# Altium PCB Cross-board.PcbDoc (part 1 of 2) (continued)
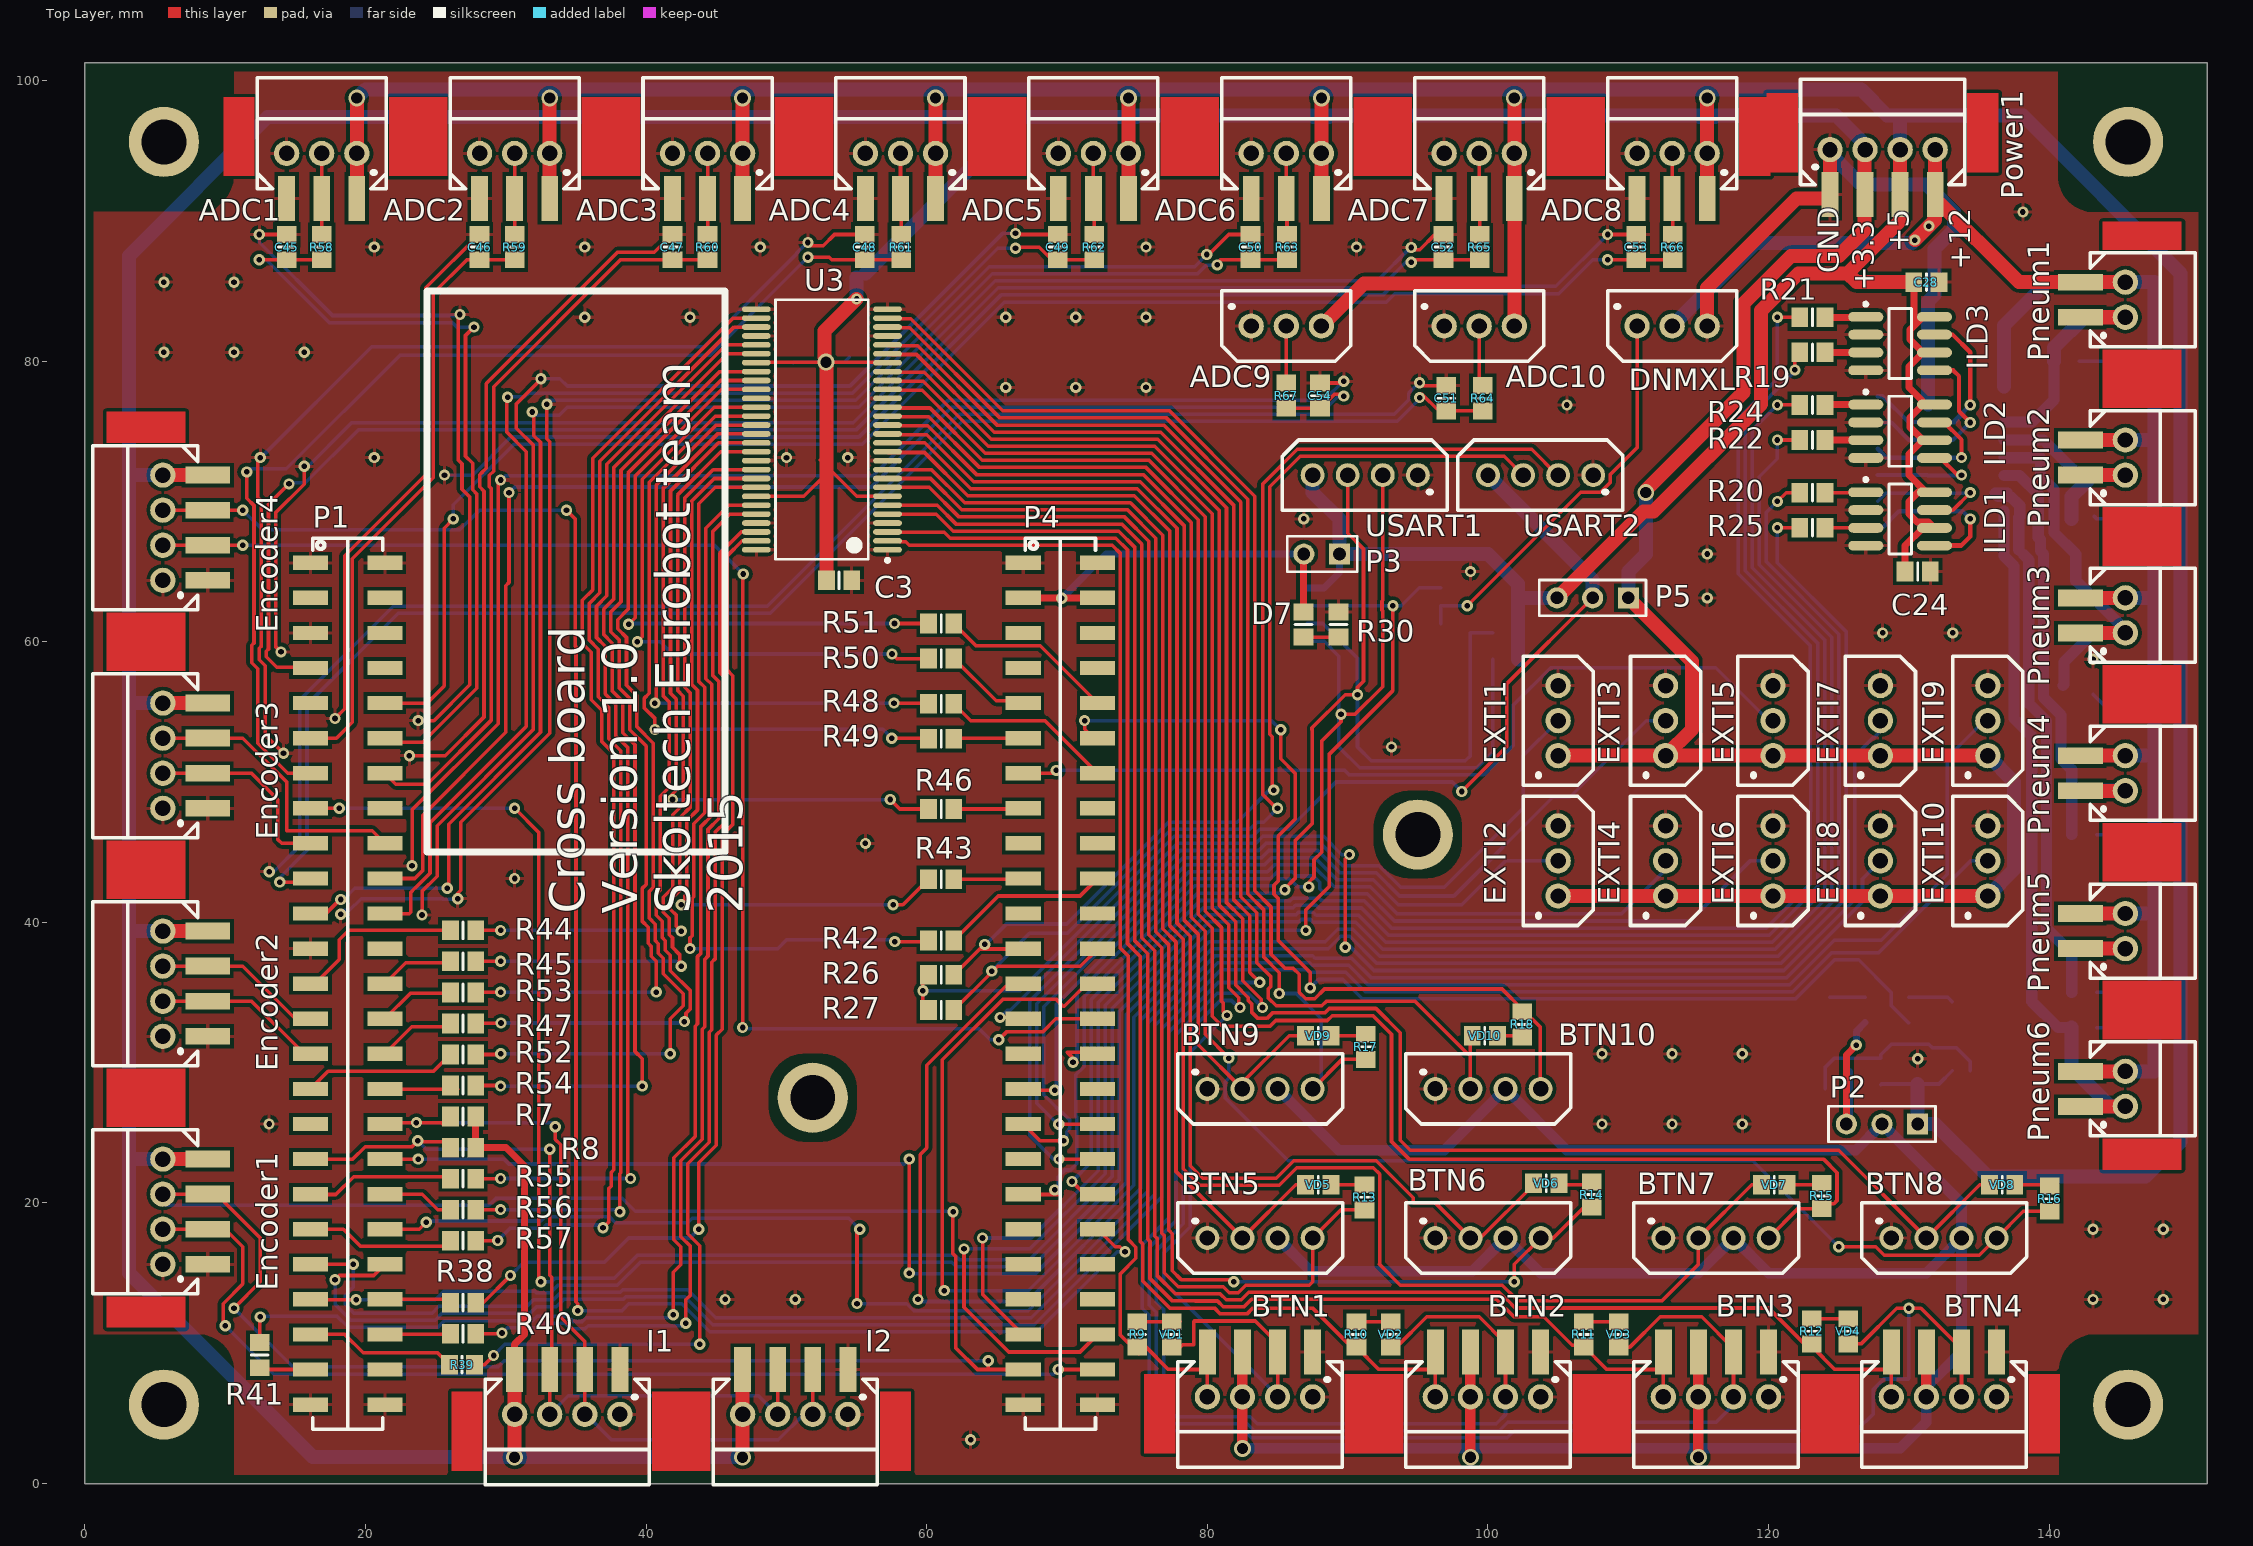
[diagram p0: Top Layer view]
## Footprints (in the part's own frame and the unit in brackets; to place one, negate y for a bottom-side part, rotate by r counter-clockwise, add the part's x,y. Pads: shape width x height; smd on the part's side, far side on the other; paste and mask are expansions set on the pad) (continued)
  silkscreen extent -3.3,-9.45 4.8,9.25, body extent -3.79,-9.27 3.79,9.27, height 2.79
HDR1X3 [mm] "Connector; Header; 3 Position"
  rect 1.5x1.5 hole 0.9: 1(0,0)
  round 1.5 hole 0.9: 2(2.54,0) 3(5.08,0)
  silkscreen extent -1.27,-1.27 6.35,1.27, body extent -1.27,-1.27 6.35,1.27, height 8.39
"HDR 1X2" [mm]
  rect 1.5x1.5 hole 0.9: 1(0,0)
  round 1.5 hole 0.9: 2(2.54,0)
  silkscreen extent -1.27,-1.27 3.72,1.27, body extent -1.31,-1.27 3.77,1.27, height 8.39
SO8_M [mm] "SOIC, 8-Leads, Body 4.9x3.9mm, Pitch 1.27mm, IPC Low Density"
  oval 2.5x0.7 smd: 1(-2.45,1.905) 2(-2.45,0.635) 3(-2.45,-0.635) 4(-2.45,-1.905) 5(2.45,-1.905) 6(2.45,-0.635) 7(2.45,0.635) 8(2.45,1.905)
  silkscreen extent -2.57,-2.5 0.8,2.93, body extent -2,-2.5 2,2.5, height 1.75
SO16_N [mm] "16-Pin Small Outline Integrated Circuit 1.27 mm Pitch, IPC Medium Density"
  oval 2.2x0.6 smd: 1(2.4,-4.445) 2(2.4,-3.175) 3(2.4,-1.905) 4(2.4,-0.635) 5(2.4,0.635) 6(2.4,1.905) 7(2.4,3.175) 8(2.4,4.445) 9(-2.4,4.445) 10(-2.4,3.175) 11(-2.4,1.905) 12(-2.4,0.635) 13(-2.4,-0.635) 14(-2.4,-1.905) 15(-2.4,-3.175) 16(-2.4,-4.445)
  silkscreen extent -0.9,-5.42 2.52,5, body extent -1.95,-4.95 1.95,4.95, height 1.75
"SOIC127 (sn74241)" [mm] "SOIC, 20-Leads, Body 12,80x7,50mm, Pitch 1,27mm, IPC Medium Density"
  rect 1.9x0.65 smd: 1(-4.75,5.715) 2(-4.75,4.445) 3(-4.75,3.175) 4(-4.75,1.905) 5(-4.75,0.635) 6(-4.75,-0.635) 7(-4.75,-1.905) 8(-4.75,-3.175) 9(-4.75,-4.445) 10(-4.75,-5.715) 11(4.75,-5.715) 12(4.75,-4.445) 13(4.75,-3.175) 14(4.75,-1.905) 15(4.75,-0.635) 16(4.75,0.635) 17(4.75,1.905) 18(4.75,3.175) 19(4.75,4.445) 20(4.75,5.715)
  silkscreen extent -4.88,-6.5 3.4,6.71, body extent -3.8,-6.5 3.8,6.5, height 2.65
SOT-23_N [mm] "SOT23, 3-Leads, Body 2.9x1.3mm, Pitch 0.95mm, Lead Span 2.3mm, IPC Medium Density"
  rect 1.15x0.6 smd: 1(1.125,-0.95) 2(1.125,0.95) 3(-1.125,0)
  silkscreen extent -0.7,-1.92 1.25,1.5, body extent -0.7,-1.5 0.7,1.5, height 1.11

## Part data
ADC1 ADC2 ADC3 ADC4 ADC5 ADC6 ADC7 ADC8 ADC9 ADC10: library part "Header 3", "Header, 3-Pin"
BTN1 BTN2 BTN3 BTN4 BTN5 BTN6 BTN7 BTN8 BTN9 BTN10 Encoder1 Encoder2 Encoder3 Encoder4 Pneum1 Pneum2 Pneum3 Pneum4 Pneum5 Pneum6 Power1: "screw_connector"
C1 C2 C3 C14 C20 C24 C28 C35 C37 C41 C45 C46 C47 C48 C49 C50 C51 C52 C53 C54: "Capacitor"
D1 D2 D3 D4 D5 D6: library part LED0, "Typical INFRARED GaAs LED"
D7 D8: "Typical INFRARED GaAs LED"
DNMXL EXTI1 EXTI2 EXTI3 EXTI4 EXTI5 EXTI6 EXTI7 EXTI8 EXTI9 EXTI10 P2 P5: "Header, 3-Pin"
I1 I2 USART1 USART2: "Header, 4-Pin"
P1 P4: "Header, 25-Pin, Dual row"
P3: "Header, 2-Pin"
Q1: "HEXFET Power MOSFET"
R1 R2 R3 R4 R5 R6 R7 R8 R9 R10 R11 R12 R13 R14 R15 R16 R17 R18 R19 R20 R21 R22 R23 R24 R25 R26 R27 R28 R29 R30 R31 R32 R33 R34 R35 R36 R37 R38 R39 R40 R41 R42 R43 R44 R45 R46 R47 R48 R49 R50 R51 R52 R53 R54 R55 R56 R57 R58 R59 R60 R61 R62 R63 R64 R65 R66 R67 R_INH1: "Resistor"
U1: "Seven Darlington Array"
U3: "20-Bit Buffer/Driver with 3-State Outputs"

## Free pads (board coordinates)
  round 0 smd: 3(18.825,52.728)
  round 5 hole 3.2: 4(5.625,5.625) 4(5.625,95.625) 4(51.875,27.5) 4(95,46.25) 4(145.625,5.625) 4(145.625,95.625)

## Via types
v1: diameter 0.8, hole 0.4, Top Layer to Bottom Layer, 219 vias
v2: diameter 1.2, hole 0.8, Top Layer to Bottom Layer, 15 vias

## Nets (pads, with @x,y where several pads share a name; then routed paths per layer and width w, separated by ;. In a path a pad name is that pad's centre, name@x,y a point inside that pad or via, vN(x,y) a via of type N, cw(c..) or ccw(c..) an arc to the next point about the centre after c; other vN are vias at no path point)
+3.3V: C1.2 C3.2 C35.2 C37.2 Encoder1.4 Encoder2.4 Encoder3.4 Encoder4.4 EXTI1.1 EXTI2.1 EXTI3.1 EXTI4.1 EXTI5.1 EXTI6.1 EXTI7.1 EXTI8.1 EXTI9.1 EXTI10.1 I1.4 I2.4 P5.1 Power1.2 R7.1 R8.1 U3.7 U3.22 U3.35 U3.50 | length 499.8
  Top Layer w0.254: U3.50@47.85,70.362 51.237,70.362 52.85,71.975 53.125,72.25 ; U3.35@47.85,79.887 47.888,79.925 v2(52.825,79.925) ; U3.7@57.2,70.362 55.013,70.362 53.125,72.25 ; U3.22@57.2,79.887 57.162,79.925 v2(52.825,79.925) ; v2(52.825,79.925) 52.825,73.75 53.025,73.55 52.425,72.95 53.125,72.25
  Top Layer w0.5: R7.1@27.848,26.156 R8.1@27.848,23.944 30.006,23.944 31.325,22.625 31.325,10.625 30.625,9.925 I1.4@30.625,8.125
  Top Layer w1: Encoder2.4@5.55,39.375 Encoder2.4@8.125,39.375 ; Encoder3.4@5.55,55.625 Encoder3.4@8.125,55.625 ; Encoder4.4@5.55,71.875 Encoder4.4@8.125,71.875 ; Encoder1.4@5.625,23.125 Encoder1.4@8.125,23.125 ; v2(30.625,1.875) I1.4@30.625,4.925 I1.4@30.625,8.125 ; v2(46.875,1.875) I2.4@46.875,4.925 I2.4@46.875,8.125 ; v2@52.725,80.287 52.725,82.15 v1(55,84.425) ; C3.2@52.85,64.375 52.85,71.975 v2@52.85,79.612 ; EXTI2.1@105,41.875 EXTI4.1@112.656,41.875 EXTI6.1@120.312,41.875 EXTI8.1@127.969,41.875 EXTI10.1@135.625,41.875 ; EXTI1.1@105,51.875 EXTI3.1@112.656,51.875 ; P5.1@110,63.125 114.531,58.594 114.531,53.75 EXTI3.1@112.656,51.875 ; v2(111.25,70.625) 111.25,70.804 118.225,77.779 118.225,84.119 121.606,87.5 125,87.5 126.825,89.325 Power1.2@126.825,94.8 ; EXTI9.1@135.625,51.875 EXTI7.1@127.969,51.875 EXTI5.1@120.312,51.875 EXTI3.1@112.656,51.875
  Bottom Layer w0.254: 12.498,5.627 12.5,5.625 ; C35.2@50.475,79.875 50.525,79.925 v2(52.825,79.925) 54.125,79.925 C37.2@54.475,80.275 ; C1.2@55,85.975 C1.2@55.275,86.25 C1.2@55.625,86.25
  Bottom Layer w1: Encoder1.4@4.925,23.125 3.125,23.125 ; Encoder2.4@4.925,39.375 3.125,39.375 ; Encoder3.4@4.925,55.625 3.125,55.625 ; Encoder4.4@5.55,71.875 3.125,71.875 ; 12.498,5.627 3.125,15 3.125,23.125 ; 12.5,5.625 16.25,1.875 v2(30.625,1.875) v2(46.875,1.875) ; v1(55,84.425) C1.2@55,85.975 ; C1.2@55.625,86.25 64.375,95 64.375,97.3 64.275,97.4 ; P5.1@110,63.125 110,65 111.25,66.25 v2(111.25,70.625) ; Power1.2@126.875,95.425 124.8,97.5 116.284,97.5 116.184,97.4 115.066,97.4 114.966,97.5 102.534,97.5 102.434,97.4 101.316,97.4 101.216,97.5 88.784,97.5 88.684,97.4 87.566,97.4 87.466,97.5 75.034,97.5 74.934,97.4 64.275,97.4 ; EXTI10.1@135.625,41.875 137.5,43.75 137.5,50 EXTI9.1@135.625,51.875 ; 3.125,23.125 3.125,39.375 ; 3.125,39.375 3.125,55.625 ; 3.125,55.625 3.125,71.875 ; 3.125,71.875 3.125,87.5 13.025,97.4 64.275,97.4
+5V: ADC1.1 ADC2.1 ADC3.1 ADC4.1 ADC5.1 ADC6.1 ADC7.1 ADC8.1 ADC9.1 ADC10.1 C2.2 C24.2 C28.2 C41.2 ILD1.6 ILD1.8 ILD2.6 ILD2.8 ILD3.6 ILD3.8 ILD4.8 P2.1 P3.1 P5.3 Power1.3 Q1.2 R28.2 R29.2 U2.20 USART1.4 | length 420.3
  Top Layer w0.5: C24.2@129.725,65 129.725,66.847 130.993,68.115 ILD1.6@131.825,68.115 131.405,68.535 130.573,68.535 130,69.108 130,70 130.655,70.655 ILD1.8@131.22,70.655 ; C28.2@130.35,85.625 130.35,82.512 ; ILD1.8@131.825,70.655 ILD1.8@131.22,70.655 ; ILD2.6@131.825,74.365 ILD2.6@130.993,74.365 ; ILD2.8@131.825,76.905 ILD2.8@131.22,76.905 ; ILD3.6@131.825,80.615 ILD3.6@130.993,80.615 ; ILD3.8@131.825,83.155 130.993,83.155 130.35,82.512 ; 130.35,82.512 130.075,82.237 130.075,81.533 ILD3.6@130.993,80.615 ; ILD2.6@130.993,74.365 130,73.372 130,71.875 ILD1.8@131.22,70.655 ; ILD2.6@130.993,74.365 130.075,75.283 130.075,75.987 130.993,76.905 ILD2.8@131.22,76.905 ; ILD3.6@130.993,80.615 130,79.622 130,78.125 ILD2.8@131.22,76.905
  Top Layer w1: ADC1.1@19.375,92.225 19.375,95.425 v2(19.375,98.75) ; ADC2.1@33.125,92.225 33.125,95.425 v2(33.125,98.75) ; ADC3.1@46.875,92.225 46.875,95.425 v2(46.875,98.75) ; ADC4.1@60.625,92.225 60.625,95.425 v2(60.625,98.75) ; ADC5.1@74.375,92.225 74.375,95.425 v2(74.375,98.75) ; ADC9.1@88.125,82.5 91.15,85.525 101.875,85.525 ; ADC6.1@88.125,92.225 88.125,95.425 v2(88.125,98.75) ; ADC10.1@101.875,82.5 101.875,85.525 ; v2(101.875,98.75) 101.875,95.425 101.875,92.225 101.875,85.525 ; P5.3@104.92,63.125 111.07,69.275 111.809,69.275 119.475,76.941 119.475,83.601 122.124,86.25 125.625,86.25 ; ADC8.1@115.625,92.225 115.625,95.425 v2(115.625,98.75) ; Power1.3@129.375,91.25 129.375,90 125.625,86.25 ; Power1.3@129.375,91.6 129.375,92.225 Power1.3@129.375,94.8 ; C28.2@130.35,85.625 126.25,85.625 125.625,86.25
  Bottom Layer w0.254: Q1.2@128,28.425 128.05,28.475 C41.2@130.625,28.475 132.145,28.475 ILD4.8@133.095,29.425
  Bottom Layer w0.5: U2.20@87.125,63.84 88.325,63.84 89.415,64.93 P3.1@89.415,66.25
  Bottom Layer w1: v2(19.375,98.75) 20,99.375 46.875,99.375 102.5,99.375 ; USART1.4@87.5,71.875 87.5,70.65 89.415,68.735 P3.1@89.415,66.25 100,66.25 102.15,64.1 C2.2@102.15,63.125 ; v2(101.875,98.75) 102.5,99.375 ; R29.2@102.15,58.75 R28.2@102.15,60.625 C2.2@102.15,63.125 ; P5.3@104.92,63.125 C2.2@102.15,63.125 ; Power1.3@129.375,95.425 129.375,97.5 ; C41.2@130.625,28.475 P2.1@130.625,25.625 131.875,25.625 135.625,21.875 146.875,21.875 149.375,24.375 149.375,86.25 138.125,97.5 129.375,97.5 ; 102.5,99.375 126.575,99.375 128.45,97.5 129.375,97.5
+5V_BOARD: P3.2 P4.3 P4.4 R30.1 | length 28
  Top Layer w0.5: P4.3@66.875,63.1 v1(69.625,63.1) P4.4@72.175,63.1 ; R30.1@86.85,62.125 86.85,66.225 P3.2@86.875,66.25
  Bottom Layer w0.5: v1(69.625,63.1) 72.775,66.25 P3.2@86.875,66.25
+12V: C14.2 C20.2 DNMXL.2 Pneum1.2 Pneum2.2 Pneum3.2 Pneum4.2 Pneum5.2 Pneum6.2 Power1.4 R1.1 R2.1 R3.1 R4.1 R5.1 R6.1 U1.9 | length 136.8
  Top Layer w1: v1(130.425,88.625) v1(131.425,89.625) 131.875,90.075 Power1.4@131.875,91.6 ; Power1.4@131.875,94.8 Power1.4@131.875,91.6 ; Pneum4.2@142.225,51.875 145.423,51.875 Pneum4.2@145.425,51.877 ; Pneum1.2@142.225,85.625 137.85,85.625 Power1.4@131.875,91.6 ; Pneum6.2@143.475,29.375 Pneum6.2@145.425,29.375 ; Pneum5.2@143.475,40.625 Pneum5.2@145.425,40.625 ; Pneum3.2@143.475,63.125 Pneum3.2@145.425,63.127 ; Pneum2.2@143.475,74.375 Pneum2.2@145.425,74.375 ; Pneum1.2@143.475,85.625 Pneum1.2@145.425,85.625
  Bottom Layer w1: DNMXL.2@113.125,82.5 119.05,88.425 130.225,88.425 v1(130.425,88.625) v1(131.425,89.625) ; U1.9@136.775,78.195 136.775,82.525 139.877,85.627 Pneum1.2@145.425,85.627 147.498,85.627 147.5,85.625 147.5,74.375 ; Pneum6.2@145.425,29.377 147.498,29.377 147.5,29.375 147.5,40.625 ; Pneum5.2@145.425,40.627 147.498,40.627 147.5,40.625 ; Pneum4.2@145.425,51.877 147.498,51.877 147.5,51.875 ; Pneum3.2@145.425,63.127 147.498,63.127 147.5,63.125 ; Pneum2.2@145.425,74.377 147.498,74.377 147.5,74.375 ; 147.5,40.625 147.5,51.875 ; 147.5,51.875 147.5,63.125 ; 147.5,63.125 147.5,74.375
GND: ADC1.3 ADC2.3 ADC3.3 ADC4.3 ADC5.3 ADC6.3 ADC7.3 ADC8.3 ADC9.3 ADC10.3 BTN1.1 BTN2.1 BTN3.1 BTN4.1 BTN5.1 BTN6.1 BTN7.1 BTN8.1 BTN9.1 BTN10.1 C1.1 C2.1 C3.1 C14.1 C20.1 C24.1 C28.1 C35.1 C37.1 C41.1 C45.2 C46.2 C47.2 C48.2 C49.2 C50.2 C51.2 C52.2 C53.2 C54.2 D7.2 D8.2 DNMXL.3 Encoder1.1 Encoder2.1 Encoder3.1 Encoder4.1 EXTI1.3 EXTI2.3 EXTI3.3 EXTI4.3 EXTI5.3 EXTI6.3 EXTI7.3 EXTI8.3 EXTI9.3 EXTI10.3 I1.1 I2.1 ILD1.2 ILD1.4 ILD2.2 ILD2.4 ILD3.2 ILD3.4 ILD4.2 P1.1 P1.2 P1.5 P1.23 P1.49 P1.50 P4.1 P4.2 P4.49 P4.50 Power1.1 R31.2 R32.2 R33.2 R34.2 R35.2 R36.2 R_INH1.2 U1.7 U1.8 U2.10 U3.1 U3.4 U3.11 U3.18 U3.25 U3.28 U3.29 U3.32 U3.39 U3.46 U3.53 U3.56 USART1.1 USART2.1 | length 832.8
  Top Layer w0.254: v1(12.425,89.025) 12.625,89.025 C45.2@14.375,89.025 ; v1(12.5,73.125) 12.302,72.927 12.302,70.308 12.577,70.033 12.577,59.689 12.421,59.533 12.421,58.717 12.852,58.286 12.852,53.347 v1(14.149,52.049) ; v1(13.969,59.271) 13.585,59.655 13.585,69.193 15.625,71.233 v1(15.625,72.5) ; v1(17.825,54.525) 18.525,55.225 18.525,66.125 24.298,71.898 24.298,85.231 28.092,89.025 C46.2@28.125,89.025 ; v1(23.125,51.875) 25.684,51.875 28.44,54.631 28.44,70.734 28.133,71.042 28.133,71.894 28.298,72.06 28.298,72.075 28.598,72.375 28.598,78.398 37.952,87.752 40.569,87.752 41.842,89.025 C47.2@41.875,89.025 ; v1(23.313,44.025) 23.313,48.013 29.448,54.148 29.448,71.348 v1(29.625,71.525) ; v1(23.75,54.375) 24.875,54.375 27.432,56.932 27.432,70.317 26.875,70.874 26.875,72.674 26.598,72.951 26.598,83.198 v1(26.725,83.325) ; v1(24.025,40.525) 24.025,42.213 25.098,43.286 25.098,46.885 31.964,53.751 31.964,73.998 30.748,75.214 30.748,76.947 32.5,78.699 v1(32.5,78.75) ; v1(26.567,41.683) 26.567,42.069 26.774,42.275 26.774,47.135 33.125,53.487 33.125,74.262 32.925,74.462 v1(32.925,76.925) ; v1(51.525,88.45) 51.75,88.225 52.225,88.225 52.625,88.225 53.425,89.025 C48.2@55.575,89.025 ; v1(66.325,89.1) 66.4,89.025 C49.2@69.325,89.025 ; v1(79.954,87.596) 80.096,87.596 81.525,89.025 C50.2@83.075,89.025 ; C54.2@88.025,78.437 89.606,78.437 v1(89.725,78.556) ; v1(94.525,88.1) 94.525,87.925 95.125,87.925 96.225,89.025 C52.2@96.825,89.025 ; v1(95.125,78.45) 95.125,78.325 95.225,78.225 95.25,78.25 C51.2@97.025,78.25 ; v1(108.525,89.025) C53.2@110.575,89.025
  Top Layer w1: DNMXL.3@115.625,82.5 115.625,85.225 122,91.6 124.375,91.6 Power1.1@124.375,94.8
  Bottom Layer w0.254: v1@12.348,72.925 v1@12.524,73.101 ; v1(12.425,89.025) 12.425,88.47 17.643,83.252 26.652,83.252 v1(26.725,83.325) ; v1(12.5,73.125) 12.548,73.125 20.448,81.025 44.1,81.025 50.748,87.673 50.748,87.722 51.476,88.45 v1(51.525,88.45) ; v1(13.142,43.608) 13.151,43.599 13.451,43.599 15.321,45.47 15.321,55.87 21.982,62.531 48.631,62.531 62.317,76.217 93.317,76.217 94.348,77.248 94.348,77.722 95.076,78.45 v1(95.125,78.45) ; v1@15.763,72.363 18.997,75.597 54.748,75.597 64.876,85.725 92.101,85.725 94.476,88.1 v1(94.525,88.1) ; v1(18.225,40.575) 18.498,40.848 18.848,40.848 19.683,41.683 25.469,41.683 25.503,41.648 26.533,41.648 v1(26.567,41.683) ; v1(23.313,44.025) v1@23.513,44.225 ; v1(24.025,40.525) v1@24.125,40.425 ; v1(25.625,71.875) 27.63,71.875 30.344,74.589 55.166,74.589 65.294,84.717 92.519,84.717 93.127,85.325 104.825,85.325 v1(108.525,89.025) ; 29.952,71.837 56.163,71.837 61.551,77.225 88.345,77.225 89.676,78.556 v1(89.725,78.556) ; v1(32.5,78.75) 33.85,78.75 34.375,78.225 54.525,78.225 65.4,89.1 v1(66.325,89.1) ; v1(32.925,76.925) 32.925,77.217 54.943,77.217 64.459,86.733 79.091,86.733 v1(79.954,87.596)
  Bottom Layer w1: Power1.1@124.375,94.8 126.587,92.587 131.263,92.587 133.225,90.625 133.225,89.375 131.825,87.975 131.825,84.725 131.35,84.25 U1.8@131.35,78.195 U1.7@131.35,76.925
  other v1: 63.125,3.125 45.625,13.125 50.625,13.125 143.125,13.125 148.125,13.125 143.125,18.125 148.125,18.125 13.125,25.625 108.125,25.625 113.125,25.625 118.125,25.625 130.625,30.275 108.125,30.625 113.125,30.625 118.125,30.625 30.625,43.125 55.625,45.625 93.125,52.5 143.125,58.75 128.125,60.625 133.125,60.625 115.625,63.125 98.75,65 115.625,66.25 86.875,68.75 20.625,73.125 50,73.125 54.375,73.125 105.625,76.875 65.625,78.125 70.625,78.125 75.625,78.125 5.625,80.625 10.625,80.625 15.625,80.625 35.625,83.125 43.125,83.125 65.625,83.125 70.625,83.125 75.625,83.125 5.625,85.625 10.625,85.625 20.625,88.125 35.625,88.125 48.125,88.125 75.625,88.125 90.625,88.125 138.125,90.625
IN1: ILD1.5 R32.1 U1.1 | length 14
  Top Layer w0.305: ILD1.5@131.825,66.875 133.174,66.875 ; ILD1.5@132.45,66.845 133.144,66.845 ; 133.144,66.845 133.72,66.845 133.75,66.875 ; 133.144,66.845 133.174,66.875 ; 133.174,66.875 133.75,66.875 ; 133.75,66.875 134.375,67.5 ; 134.375,67.5 v1(134.375,68.75) 134.375,67.5
  Bottom Layer w0.305: R32.1@127.775,68.125 128.125,68.125 129.305,69.305 U1.1@131.35,69.305 133.82,69.305 v1(134.375,68.75)
IN2: ILD1.7 R31.1 U1.2 | length 9.9
  Top Layer w0.254: ILD1.7@131.825,69.385 132.45,69.385 133.141,69.385 134.375,70.619 v1(134.375,70.625)
  Bottom Layer w0.254: R31.1@127.775,70 128.35,70.575 U1.2@131.35,70.575 134.325,70.575 v1(134.375,70.625)
  other v1: 134.375,70.625
IN3: ILD2.5 R35.1 U1.3 | length 8.8
  Top Layer w0.305: ILD2.5@131.825,73.095 ILD2.5@132.235,73.095 ; ILD2.5@132.645,73.095 ILD2.5@132.235,73.095 ; v1(133.75,71.875) 133.455,71.875 ILD2.5@132.235,73.095
  Bottom Layer w0.305: R35.1@127.775,71.875 131.32,71.875 U1.3@131.35,71.845 133.72,71.845 v1(133.75,71.875)
IN4: ILD2.7 R33.1 U1.4 | length 10
  Top Layer w0.305: ILD2.7@131.825,75.635 132.519,75.635 133.75,74.404 v1(133.75,73.125)
  Bottom Layer w0.305: R33.1@127.775,73.75 128.41,73.115 U1.4@131.35,73.115 133.74,73.115 v1(133.75,73.125)
IN5: ILD3.5 R36.1 U1.5 | length 13.2
  Top Layer w0.305: ILD3.5@131.825,79.345 133.155,79.345 133.573,78.927 133.573,76.427 v1(134.375,75.625)
  Bottom Layer w0.305: R36.1@127.775,75.625 128.75,75.625 129.99,74.385 U1.5@131.35,74.385 133.135,74.385 v1(134.375,75.625)
IN6: ILD3.7 R34.1 U1.6 | length 17.5
  Top Layer w0.305: ILD3.7@131.825,81.885 133.115,81.885 134.375,80.625 v1(134.375,76.875)
  Bottom Layer w0.305: R34.1@127.775,77.5 128.125,77.5 129.97,75.655 U1.6@131.35,75.655 ; 133.865,76.25 133.24,75.625 131.38,75.625 U1.6@131.35,75.655 ; v1(134.375,76.875) 133.155,75.655 U1.6@131.35,75.655
INH: P2.3 Q1.3 R37.1 | length 11.6
  Top Layer w0.5: P2.3@125.545,25.625 125.545,30.545 v1(126.25,31.25)
  Bottom Layer w0.5: P2.3@125.545,25.625 125.75,25.83 Q1.3@125.75,29.375 ; v1(126.25,31.25) 126.25,32.225 R37.1@126.875,32.85
INHIBIT: BTN1.3 BTN2.3 BTN3.3 BTN4.3 BTN5.3 BTN6.3 BTN7.3 BTN8.3 BTN9.3 BTN10.3 P2.2 | length 199
  Top Layer w0.75: v2(82.5,2.5) BTN1.3@82.5,8.125 ; v2(98.75,1.875) BTN2.3@98.75,6.175 BTN2.3@98.75,8.125 ; v2(115,1.875) BTN3.3@115,6.175 BTN3.3@115,8.125 ; BTN4.3@131.25,6.175 BTN4.3@131.25,8.125
  Bottom Layer w0.75: v2(82.5,2.5) 115,2.5 ; BTN5.3@85,17.5 87.373,15.127 98.877,15.127 BTN6.3@101.25,17.5 103.75,15 115,15 BTN7.3@117.5,17.5 120,15 131.25,15 BTN8.3@133.75,17.5 ; BTN9.3@85,28.125 89.375,23.75 96.875,23.75 BTN10.3@101.25,28.125 105.625,23.75 126.21,23.75 P2.2@128.085,25.625 133.75,19.96 BTN8.3@133.75,17.5 ; v2(115,1.875) 115,2.5 ; 115,2.5 129.375,2.5 131.25,4.375 131.25,6.875 133.75,9.375 BTN8.3@133.75,17.5
NetD1_1: D1.1 R1.2 | length 2.2
  Bottom Layer w0.254: D1.1@143.225,68.925 D1.1@143.4,68.75 R1.2@145.35,68.75
NetD2_1: D2.1 R2.2 | length 3
  Bottom Layer w0.254: D2.1@143.125,56.25 144.65,54.725 145.075,54.725 R2.2@145.35,55
NetD3_1: D3.1 R3.2 | length 2
  Bottom Layer w0.254: D3.1@143.4,46.25 R3.2@145.35,46.25
NetD4_1: D4.1 R4.2 | length 2
  Bottom Layer w0.254: D4.1@143.4,35 R4.2@145.35,35
NetD5_1: D5.1 R5.2 | length 2
  Bottom Layer w0.254: D5.1@143.4,32.5 R5.2@145.35,32.5
NetD6_1: D6.1 R6.2 | length 3.2
  Bottom Layer w0.254: D6.1@142.15,80 R6.2@145.35,80
NetD7_1: D7.1 R30.2 | length 2.5
  Top Layer w0.254: R30.2@86.85,60.325 D7.1@89.35,60.325
NetD8_1: D8.1 R37.2 | length 2.5
  Bottom Layer w0.254: D8.1@124.375,34.65 R37.2@126.875,34.65
NetDynomixels1_1: DNMXL.1 U2.2 U2.3 | length 29.2
  Top Layer w0.254: v1(98.525,62.57) 106.603,70.648 108.008,70.648 108.727,71.367 108.727,71.927 110.625,73.825 DNMXL.1@110.625,82.5
  Bottom Layer w0.254: U2.3@96.625,61.3 U2.2@96.625,62.57 v1(98.525,62.57) 98.68,62.57 v1@98.75,62.5
NetILD1_1: ILD1.1 R20.2 | length 2.9
  Top Layer w0.254: R20.2@124.025,70.625 126.895,70.625 ILD1.1@126.925,70.655
NetILD1_3: ILD1.3 R25.2 | length 2.9
  Top Layer w0.254: R25.2@124.025,68.125 126.915,68.125 ILD1.3@126.925,68.115
NetILD2_1: ILD2.1 R24.2 | length 2.9
  Top Layer w0.254: R24.2@124.025,76.875 R24.2@124.055,76.905
  Top Layer w0.5: R24.2@124.055,76.905 ILD2.1@126.925,76.905
NetILD2_3: ILD2.3 R22.2 | length 2.9
  Top Layer w0.5: R22.2@124.025,74.375 126.915,74.375 ILD2.3@126.925,74.365
NetILD3_1: ILD3.1 R21.2 | length 2.9
  Top Layer w0.5: R21.2@124.025,83.125 ILD3.1@126.895,83.125
NetILD3_3: ILD3.3 R19.2 | length 2.9
  Top Layer w0.5: R19.2@124.025,80.625 126.915,80.625 ILD3.3@126.925,80.615
NetILD4_1: ILD4.1 R23.2 | length 3.2
  Bottom Layer w0.254: R23.2@130,34.65 132.77,34.65 ILD4.1@133.095,34.325
NetILD4_7: ILD4.7 Q1.1 R_INH1.1 | length 13.9
  Bottom Layer w0.254: R_INH1.1@124.025,28.125 124.025,29.65 124.7,30.325 Q1.1@128,30.325 128,30.559 128.761,31.319 131.414,31.319 131.681,31.052 133.396,31.052 134.365,30.083 ILD4.7@134.365,29.425
NetP5_2: P5.2 R26.2 R27.2 USART2.4 | length 76.8
  Top Layer w0.254: R27.2@59.725,33.75 R26.2@59.725,36.25 ; v1(98.125,49.325) 101.325,52.525 101.325,56.99 P5.2@107.46,63.125
  Bottom Layer w0.254: v1(59.725,35.125) 66.644,35.125 77.645,46.126 83.238,46.126 83.742,46.63 85.794,46.63 89.164,50 97.45,50 v1(98.125,49.325)
  Bottom Layer w1: USART2.4@100,71.875 107.46,64.415 P5.2@107.46,63.125
NetPA1_2: ADC1.2 R58.1 | length 5.8
  Top Layer w0.254: R58.1@16.875,89.025 ADC1.2@16.875,91.6 ADC1.2@16.875,94.8
NetPA2_2: ADC2.2 R59.1 | length 5.8
  Top Layer w0.254: R59.1@30.625,89.025 ADC2.2@30.625,91.6 ADC2.2@30.625,94.8
NetPA3_2: ADC3.2 R60.1 | length 5.8
  Top Layer w0.254: R60.1@44.375,89.025 ADC3.2@44.375,91.6 ADC3.2@44.375,94.8
NetPA4_2: ADC4.2 R61.1 | length 5.8
  Top Layer w0.254: ADC4.2@58.125,94.8 ADC4.2@58.125,91.6 58.175,91.55 R61.1@58.175,89.025
NetPA5_2: ADC5.2 R62.1 | length 6.1
  Top Layer w0.254: ADC5.2@71.875,91.6 ADC5.2@71.875,91.875 ; ADC5.2@71.875,94.8 ADC5.2@71.875,91.875 ; R62.1@71.925,89.025 71.925,91.825 ADC5.2@71.875,91.875
NetPA6_2: ADC6.2 R63.1 | length 5.8
  Top Layer w0.254: ADC6.2@85.625,94.8 85.625,91.875 85.675,91.825 R63.1@85.675,89.025
NetPA7_2: ADC7.2 R65.1 | length 5.8
  Top Layer w0.254: ADC7.2@99.375,94.8 ADC7.2@99.375,91.6 99.425,91.55 R65.1@99.425,89.025
NetPA8_2: ADC8.2 R66.1 | length 5.8
  Top Layer w0.254: ADC8.2@113.125,94.8 113.125,91.875 113.175,91.825 R66.1@113.175,89.025
NetPA9_2: ADC9.2 R67.1 | length 4.1
  Top Layer w0.254: R67.1@85.625,78.437 ADC9.2@85.625,82.5
NetPA10_2: ADC10.2 R64.1 | length 4.4
  Top Layer w0.254: ADC10.2@99.375,82.5 99.375,78.5 R64.1@99.625,78.25
NetR9_2: R9.2 VD1.1 | length 2.5
  Top Layer w0.254: R9.2@75.625,11.525 VD1.1@78.075,11.525
NetR10_2: R10.2 VD2.1 | length 2.5
  Top Layer w0.254: R10.2@90.625,11.525 VD2.1@93.075,11.525
NetR11_2: R11.2 VD3.1 | length 2.5
  Top Layer w0.254: R11.2@106.875,11.525 VD3.1@109.325,11.525
NetR12_2: R12.2 VD4.1 | length 2.6
  Top Layer w0.254: R12.2@123.075,11.75 VD4.1@125.675,11.75
NetR13_2: R13.2 VD5.1 | length 1.8
  Top Layer w0.254: VD5.1@88.8,21.3 R13.2@90.575,21.3
NetR14_2: R14.2 VD6.1 | length 2.4
  Top Layer w0.254: VD6.1@105.05,21.3 R14.2@107.45,21.3
NetR15_2: R15.2 VD7.1 | length 2.5
  Top Layer w0.254: VD7.1@121.3,21.3 123.7,21.3 R15.2@123.8,21.4
NetR16_2: R16.2 VD8.1 | length 2.5
  Top Layer w0.254: VD8.1@137.55,21.3 139.952,21.3 R16.2@140.05,21.202
NetR17_2: R17.2 VD9.1 | length 2.5
  Top Layer w0.254: VD9.1@88.8,31.925 91.2,31.925 R17.2@91.3,32.025
NetR18_2: R18.2 VD10.1 | length 1.8
  Top Layer w0.254: VD10.1@100.675,31.925 102.375,31.925 R18.2@102.45,32
NetR38_2: R38.2 U3.55 | length 69.8
  Top Layer w0.254: R38.2@27.848,12.887 28.387,12.887 v1(30.325,14.825) ; v1(43.75,18.125) 43.75,22.862 45,24.112 45,31.963 45.414,32.377 45.414,46.201 46.18,46.967 46.18,57.584 45.766,57.998 45.766,66.109 46.844,67.187 U3.55@47.85,67.187
  Bottom Layer w0.254: v1(30.325,14.825) 31.277,15.777 37.027,15.777 38.75,17.5 43.125,17.5 v1(43.75,18.125)
NetR39_2: R39.2 U3.54 | length 77.9
  Top Layer w0.254: R39.2@27.775,8.475 28.475,8.475 v1(29.125,9.125) ; v1(43.825,9.925) 43.825,16.951 42.973,17.803 42.973,22.797 44.496,24.32 44.496,32.172 44.668,32.344 44.668,37.144 44.91,37.386 44.91,46.41 45.676,47.176 45.676,57.375 45.262,57.789 45.262,66.318 46.766,67.822 U3.54@47.85,67.822
  Bottom Layer w0.254: v1(29.125,9.125) 29.925,9.925 v1(43.825,9.925)
NetR40_2: R40.2 U3.52 | length 77.4
  Top Layer w0.254: R40.2@27.848,10.675 29.675,10.675 v1(29.725,10.725) ; v1(42.825,11.425) 42.825,13.094 43.156,13.425 43.156,16.907 42.469,17.594 42.469,23.006 43.992,24.529 43.992,32.38 44.164,32.552 44.164,37.352 44.406,37.594 44.406,46.618 45.172,47.384 45.172,57.166 44.758,57.58 44.758,67.883 45.967,69.092 U3.52@47.85,69.092
  Bottom Layer w0.254: v1(29.725,10.725) 30.113,11.113 32.127,11.113 32.439,11.425 34.213,11.425 34.594,11.044 35.656,11.044 35.862,11.25 35.864,11.248 42.648,11.248 v1(42.825,11.425)
NetR41_2: R41.2 U3.51 | length 94.4
  Top Layer w0.254: R41.2@12.45,10.05 12.45,11.825 v1(12.5,11.875) ; v1(41.925,12.025) 41.925,15.05 42.469,15.594 42.469,16.882 41.965,17.386 41.965,23.215 43.488,24.738 43.488,32.589 43.66,32.761 43.66,37.561 43.902,37.803 43.902,46.827 44.668,47.593 44.668,56.957 44.254,57.371 44.254,68.092 45.89,69.727 U3.51@47.85,69.727
  Bottom Layer w0.254: v1(12.5,11.875) 12.554,11.929 17.966,11.929 18.755,11.14 25.165,11.14 25.643,11.617 31.918,11.617 32.23,11.929 34.422,11.929 34.803,11.548 35.447,11.548 35.72,11.821 41.721,11.821 v1(41.925,12.025)
NetR42_2: R42.2 U3.49 | length 54.4
  Top Layer w0.254: v1(43.125,38.125) 43.125,38.901 43.277,39.053 43.277,41.572 43.273,41.576 43.273,41.696 43.398,41.821 43.398,47.036 44.164,47.802 44.164,56.749 43.75,57.163 43.75,69.824 44.923,70.997 U3.49@47.85,70.997 ; v1@57.85,38.75 v1(57.725,38.625) 60.05,38.625 R42.2@60.125,38.7
  Bottom Layer w0.254: v1(43.125,38.125) 49.375,38.125 50,38.75 57.6,38.75 v1(57.725,38.625)
NetR43_2: R43.2 U3.48 | length 53.2
  Top Layer w0.254: v1(42.5,41.25) 42.769,41.519 42.769,41.905 42.894,42.03 42.894,47.245 43.66,48.011 43.66,56.54 43.246,56.954 43.246,70.033 44.845,71.632 U3.48@47.85,71.632 ; v1@57.525,41.325 v1(57.6,41.25) 58.3,41.25 R43.2@60.125,43.075
  Bottom Layer w0.254: v1(42.5,41.25) v1(57.6,41.25)
NetR44_2: R44.2 U3.47 | length 52.6
  Top Layer w0.254: R44.2@27.848,39.425 v1(29.625,39.425) ; v1(42.5,39.375) 42.157,39.718 42.157,40.494 41.723,40.928 41.723,41.572 42.39,42.239 42.39,47.453 43.156,48.219 43.156,56.331 42.742,56.745 42.742,70.242 44.767,72.267 U3.47@47.85,72.267
  Bottom Layer w0.254: v1(29.625,39.425) 42.45,39.425 v1(42.5,39.375)
NetR45_2: R45.2 U3.45 | length 56.6
  Top Layer w0.254: R45.2@27.848,37.213 29.613,37.213 v1(29.625,37.225) ; v1(42.5,36.875) 42.348,37.027 42.348,37.26 42.379,37.291 42.379,37.709 41.875,38.213 41.875,38.901 41.653,39.123 41.653,40.285 41.219,40.719 41.219,41.781 41.886,42.448 41.886,47.662 42.652,48.428 42.652,56.122 42.238,56.536 42.238,70.451 45.325,73.537 U3.45@47.85,73.537
  Bottom Layer w0.254: v1(29.625,37.225) 42.15,37.225 v1(42.5,36.875)
NetR46_2: R46.2 U3.44 | length 48.5
  Top Layer w0.254: v1(41.875,48.75) 41.734,48.891 41.734,48.995 42.148,49.409 42.148,55.914 41.734,56.328 41.734,70.747 45.159,74.172 U3.44@47.85,74.172 ; v1(57.4,48.75) 58.075,48.075 R46.2@60.125,48.075
  Bottom Layer w0.254: v1(41.875,48.75) v1(57.4,48.75)
NetR47_2: R47.2 U3.43 | length 63
  Top Layer w0.254: R47.2@27.848,32.79 29.69,32.79 v1(29.656,32.825) ; v1(42.725,32.925) 42.725,32.963 42.837,33.075 42.837,33.525 43.156,33.844 43.156,35.12 41.723,36.553 41.723,37.652 41.371,38.004 41.371,38.692 41.149,38.914 41.149,40.077 40.715,40.511 40.715,41.989 41.008,42.282 41.008,48.982 41.644,49.618 41.644,55.705 41.23,56.119 41.23,70.956 45.081,74.807 U3.43@47.85,74.807
  Bottom Layer w0.254: v1(29.656,32.825) 42.625,32.825 v1(42.725,32.925)
NetR48_2: R48.2 U3.42 | length 44.2
  Top Layer w0.254: v1(40.625,55.625) 40.726,55.625 40.726,71.165 45.004,75.442 U3.42@47.85,75.442 ; v1(57.663,55.625) R48.2@60.075,55.625
  Bottom Layer w0.254: v1(40.625,55.625) v1(57.663,55.625) v1@57.925,55.625
NetR49_2: R49.2 U3.41 | length 47.5
  Top Layer w0.254: v1(40.625,53.75) 40.625,54.526 39.848,55.303 39.848,55.947 40.222,56.321 40.222,71.374 44.926,76.077 U3.41@47.85,76.077 ; v1(57.5,53.125) 60.075,53.125 R49.2@60.125,53.075
  Bottom Layer w0.254: v1(40.625,53.75) 56.875,53.75 v1(57.5,53.125)
NetR50_2: R50.2 U3.40 | length 42.5
  Top Layer w0.254: v1(39.375,60) 39.718,60.343 39.718,71.582 44.848,76.712 U3.40@47.85,76.712 ; v1@57.725,58.925 57.85,58.8 R50.2@59.725,58.8
  Bottom Layer w0.254: v1(39.375,60) 41,60 41.875,59.125 v1(57.525,59.125)
NetR51_2: R51.2 U3.38 | length 43
  Top Layer w0.254: v1(38.75,61.25) 39.214,61.714 39.214,71.812 45.384,77.982 U3.38@47.85,77.982 ; v1@57.625,61.225 v1(57.7,61.3) R51.2@59.725,61.3
  Bottom Layer w0.254: v1(38.75,61.25) 38.8,61.3 v1(57.7,61.3)